# Altium PCB Tigershark 3D R1.7.PcbDoc (part 3 of 4)
Units mil, origin at the board's own origin, x right, y up, seen from the top; angles counter-clockwise.
Board outline 5500 x 4600 mil, 4 copper layers (Top Layer, Groun Plane, Power Plane, Bottom Layer); 305 components, 242 nets, 1015 pads, 866 vias.
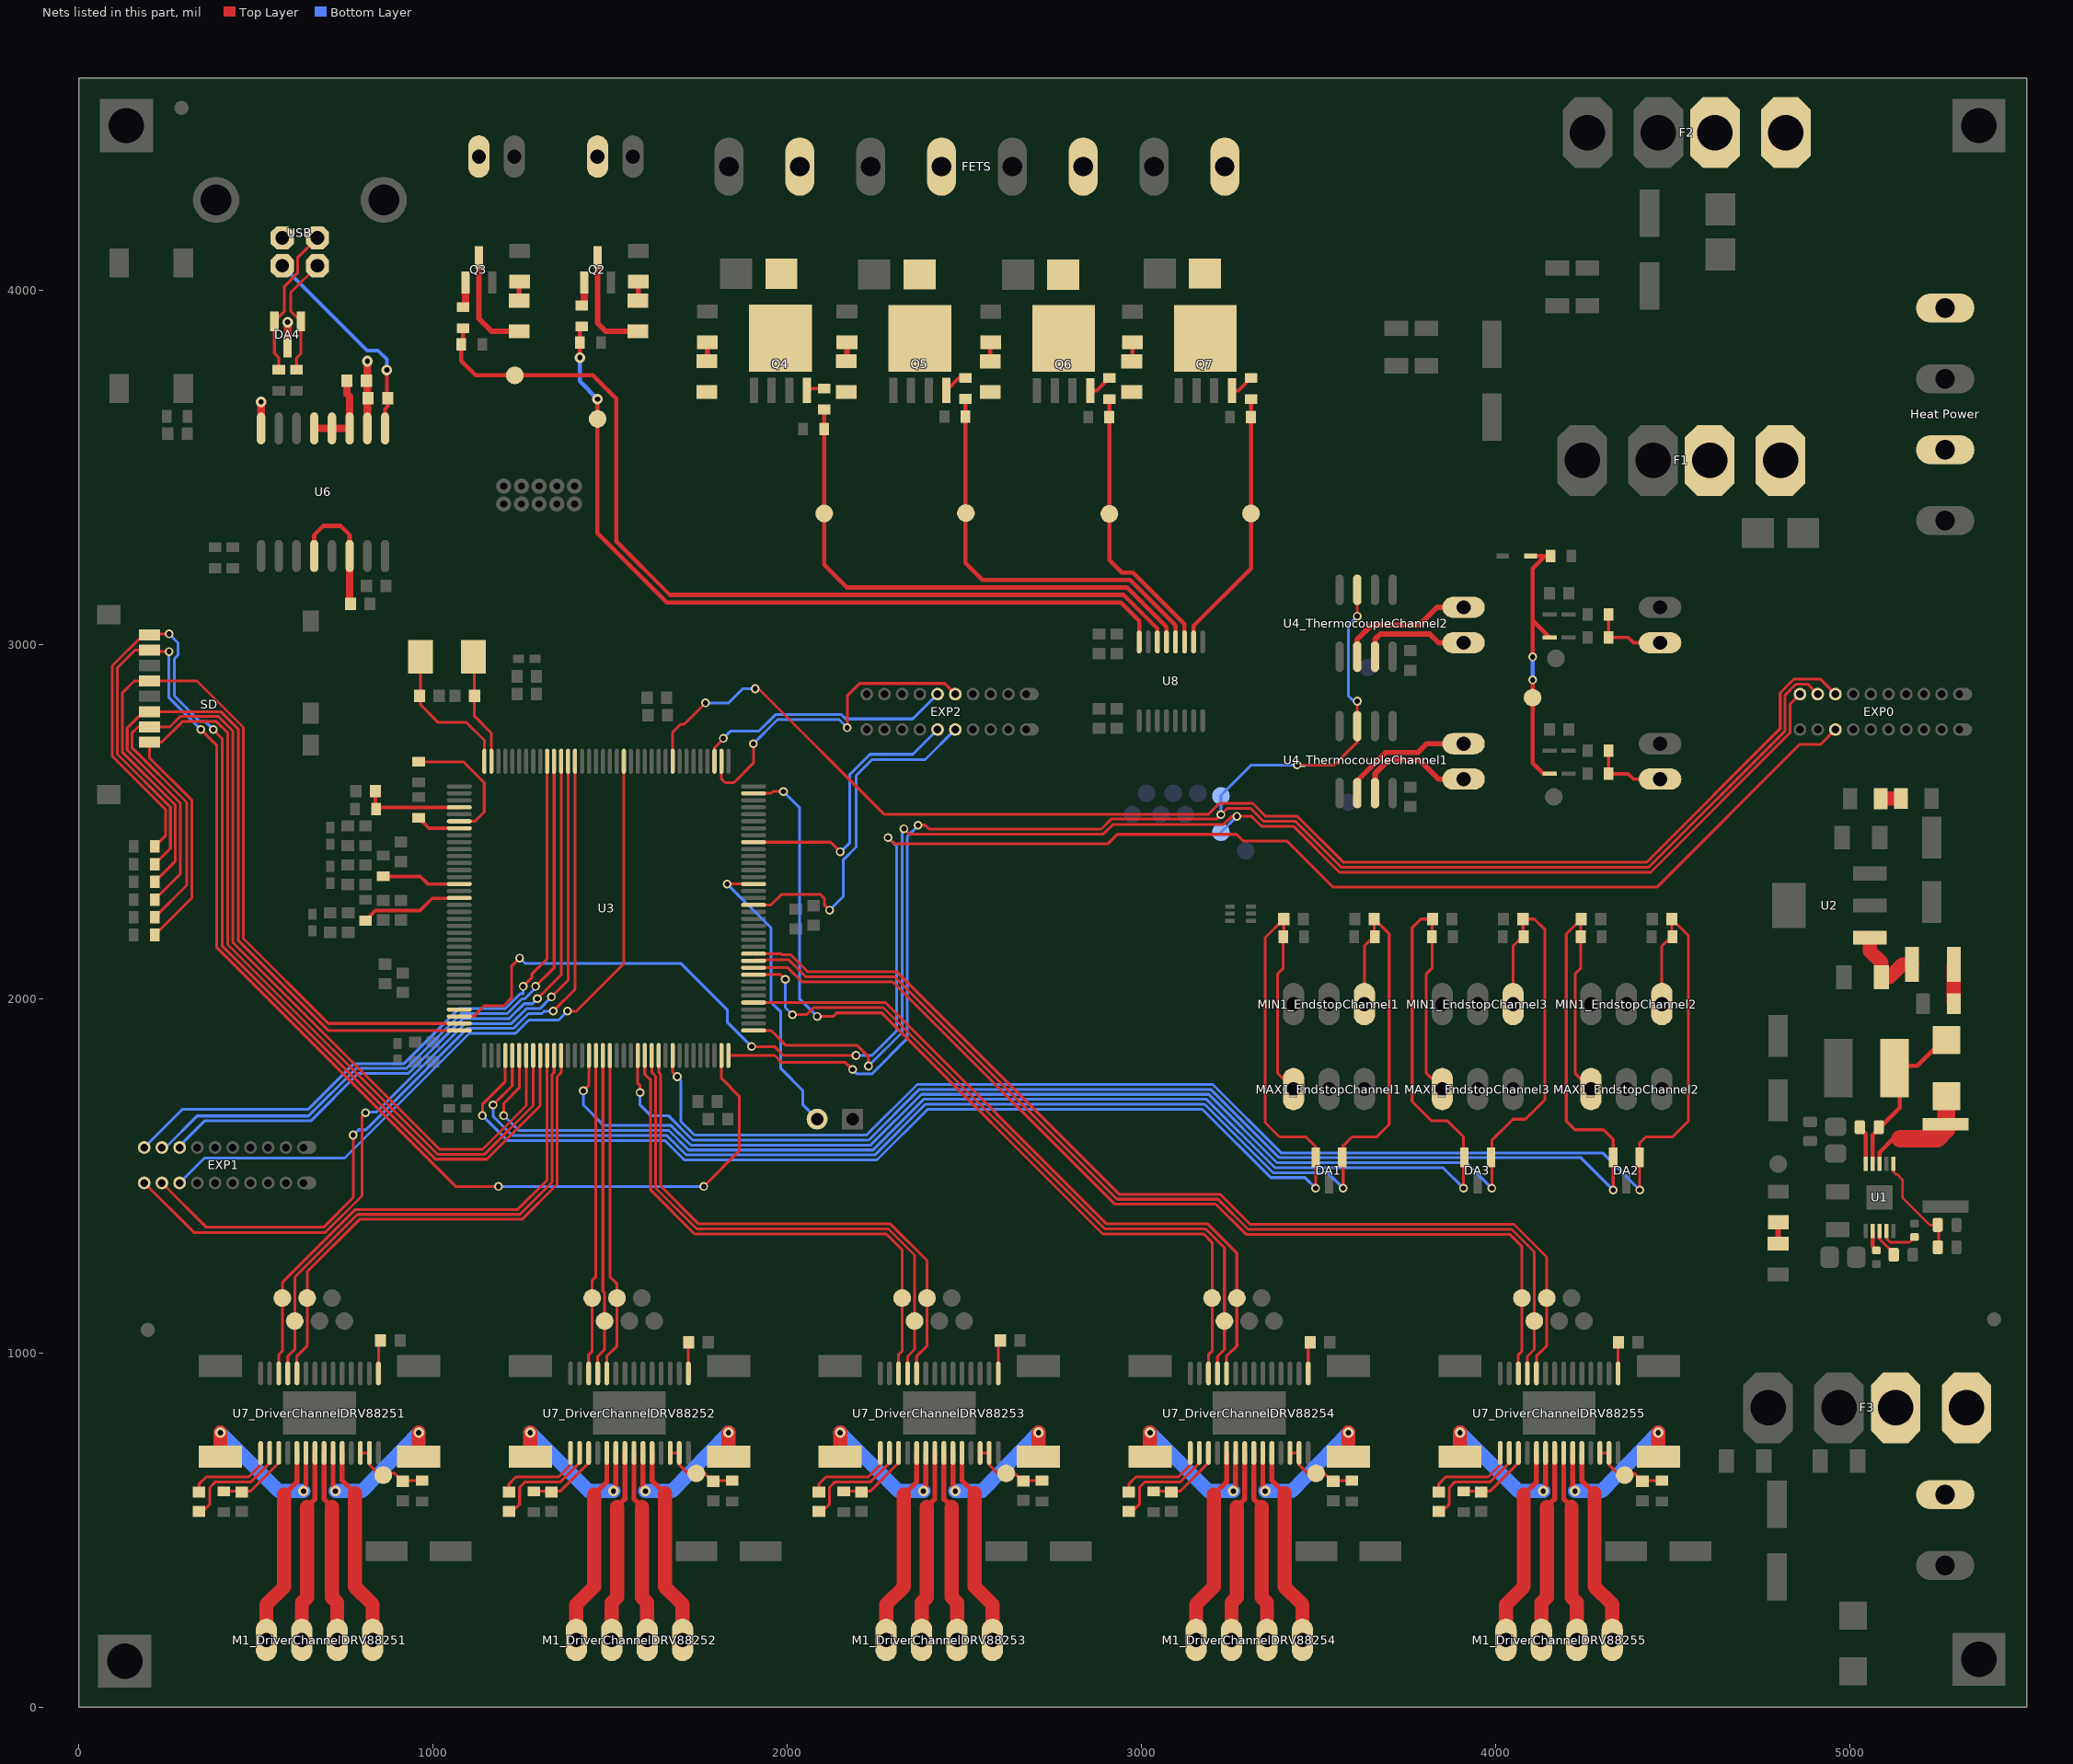
[diagram p5: the nets of this part, all layers, seen from the top]

## Via types
v1: diameter 25, hole 15, Top Layer to Bottom Layer, tented both sides, 382 vias
v2: diameter 30, hole 15, Top Layer to Bottom Layer, tented both sides, 378 vias
v3: diameter 19.68, hole 7.87, Top Layer to Bottom Layer, tented both sides, 75 vias
v4: diameter 50, hole 28, Top Layer to Bottom Layer, tented both sides, 13 vias
v5: diameter 45, hole 20, Top Layer to Bottom Layer, tented both sides, 9 vias
v6: diameter 30, hole 15, Top Layer to Bottom Layer, 9 vias

## Nets (pads, with @x,y where several pads share a name; then routed paths per layer and width w, separated by ;. In a path a pad name is that pad's centre, name@x,y a point inside that pad or via, vN(x,y) a via of type N, cw(c..) or ccw(c..) an arc to the next point about the centre after c; other vN are vias at no path point) (continued)
GPIO12_EXP: EXP2.5 U3.136 | length 786.6
  Top Layer w8: U3.136@1905.35,2442.01 2122.99,2442.01 v1(2150,2415)
  Bottom Layer w8: v1(2150,2415) 2151.82,2415 2177.5,2440.68 2177.5,2633.3 2234.2,2690 2355,2690 EXP2.5@2425,2760
GPIO13_EXP: EXP2.16 U3.3 | length 741.7
  Top Layer w8: U3.3@1795.12,2670.35 1795.12,2708.5 1820,2733.38 v1(1820,2735)
  Bottom Layer w8: v1(1820,2735) 1841,2756 1921.2,2756 1967.2,2802 2153.6,2802 2165.6,2790 2355,2790 EXP2.16@2425,2860
GPIO14_EXP: EXP2.6 U3.127 | length 1001.7
  Top Layer w8: U3.127@1905.35,2264.84 1954.84,2264.84 1985,2295 2093.79,2295 2105,2283.79 2105,2265 v1(2120,2250)
  Bottom Layer w8: v1(2120,2250) 2159.32,2289.32 2159.32,2392.5 2195,2428.18 2195,2630 2240,2675 2390,2675 EXP2.6@2475,2760
GPIO15_EXP: EXP2.15 U3.2 | length 947
  Top Layer w8: U3.2@1814.8,2670.35 1814.8,2620.2 1825,2610 1850,2610 1905,2665 v1(1905,2720) ; v1(2170,2765) 2170,2855 2205,2890 2445,2890 EXP2.15@2475,2860
  Bottom Layer w8: v1(1905,2720) 1973,2788 2147,2788 v1(2170,2765)
I2C_SCL: EXP0.3 U3.70 | length 5014.8
  Top Layer w8: U3.70@1074.65,1949.88 1114.88,1949.88 1145,1980 1200,1980 1222.5,2002.5 1222.5,2092.5 v1(1245,2115) ; v1(1900,1865) 1965,1865 1990,1840 v1(2195,1840) ; v1(2285,2455) 2303,2437 2904.99,2437 2931.92,2463.93 3269.25,2463.93 3288.18,2445 3412.01,2445 3542.01,2315 4455.6,2315 4858.6,2718 4918,2718 EXP0.3@4960,2760
  Bottom Layer w8: v1(1245,2115) 1260,2100 1699.71,2100 1831.96,1967.75 1831.96,1933.04 v1(1900,1865) ; v1(2195,1840) 2240.2,1840 2310,1909.8 2310,2430 v1(2285,2455)
I2C_SDA: EXP0.18 U3.9 | length 3934.7
  Top Layer w8: U3.9@1677.01,2670.35 1677.01,2752.01 1700,2775 1710.36,2775 1725,2789.64 1725,2790 v1(1770,2835) ; v1(1910,2875) 1920,2875 2274,2521 3189.99,2521 3220.49,2551.5 3314.72,2551.5 3351.22,2515 3441.01,2515 3571.01,2385 4426.61,2385 4804,2762.39 4804,2863.4 4842.6,2902 4918,2902 EXP0.18@4960,2860
  Bottom Layer w8: v1(1770,2835) 1835,2835 1875,2875 v1(1910,2875)
INPUT_GND: C58.1 C59.1 DA4.3 U6.2 U6.8 USB.4 | length 337.2
  Top Layer w22: U6.8@515,3610.12 v2(515,3685) ; DA4.3@590,3837.6 v2(590,3910) ; U6.2@815,3610.12 v2(815,3800)
MAX_ES1: C2_EndstopChannel1.1 DA1.2 MAX1_EndstopChannel1.1 R3_EndstopChannel1.2 U3.76 | length 4143
  Top Layer w8: v1(1140,1670) 1140,1701.82 1204.57,1766.39 U3.76@1204.57,1839.65 ; MAX1_EndstopChannel1.1@3430,1745 3385,1790 3385,2070 3400.94,2085.95 R3_EndstopChannel1.2@3400.94,2175 3402.44,2176.5 C2_EndstopChannel1.1@3402.44,2225 3350,2172.56 3350,1650 3390,1610 3465,1610 3492.6,1582.4 DA1.2@3492.6,1552.4 v1(3492.6,1465)
  Bottom Layer w8: v1(1140,1670) 1210,1600 1655,1600 1710,1545 2253.79,1545 2396.79,1688 3173.01,1688 3366.01,1495 3462.6,1495 v1(3492.6,1465)
MAX_ES2: C2_EndstopChannel2.1 DA2.2 MAX1_EndstopChannel2.1 R3_EndstopChannel2.2 U3.95 | length 4495.9
  Top Layer w8: U3.95@1578.58,1839.65 1578.58,1761.42 1585,1755 v1(1585,1735) ; C2_EndstopChannel2.1@4242.44,2225 C2_EndstopChannel2.1@4240.94,2223.5 ; MAX1_EndstopChannel2.1@4270,1745 4225,1790 4225,2070 4240.94,2085.95 R3_EndstopChannel2.2@4240.94,2175 C2_EndstopChannel2.1@4240.94,2223.5 ; v1(4332.6,1460) DA2.2@4332.6,1552.4 4332.6,1602.4 4305,1630 4225,1630 4200,1655 4200,2182.56 C2_EndstopChannel2.1@4240.94,2223.5
  Bottom Layer w8: v1(1585,1735) 1585,1700 1615,1670 1664.2,1670 1733.2,1601 2230.6,1601 2373.6,1744 3196.2,1744 3389.2,1551 4241.6,1551 v1(4332.6,1460)
MAX_ES3: C2_EndstopChannel3.1 DA3.2 MAX1_EndstopChannel3.1 R3_EndstopChannel3.2 U3.78 | length 4497.4
  Top Layer w8: v1(1200,1670) 1200,1704 1243.94,1747.94 U3.78@1243.94,1839.65 ; MAX1_EndstopChannel3.1@3850,1745 3805,1790 3805,2070 3820.94,2085.95 R3_EndstopChannel3.2@3820.94,2175 3820.94,2223.5 C2_EndstopChannel3.1@3822.44,2225 3790,2225 3765,2200 3765,1710 3820,1655 3865,1655 3910,1610 DA3.2@3910,1552.4 ; v1(3910,1465) 3910,1549.8 DA3.2@3912.6,1552.4
  Bottom Layer w8: v1(1200,1670) 1242,1628 1666.6,1628 1721.6,1573 2242.2,1573 2385.2,1716 3184.6,1716 3377.6,1523 3852,1523 v1(3910,1465)
MCCDZ: R28.1 SD.3 U3.72 | length 2255
  Top Layer w8: R28.1@214.53,2280 287,2352.47 287,2552.4 137,2702.4 137,2763.72 183.9,2810.63 SD.3@200,2810.63 400.79,2810.63 450.32,2761.1 450.32,2164.89 704.69,1910.51 U3.72@1074.65,1910.51
MCCK: R27.1 SD.5 U3.71 | length 2335
  Top Layer w8: R27.1@214.53,2330 273,2388.47 273,2546.6 123,2696.6 123,2863 157.24,2897.24 SD.5@200,2897.24 333.97,2897.24 465,2766.22 465,2170 704.8,1930.2 U3.71@1074.65,1930.2
MCDZ0: R26.1 SD.7 U3.107 | length 3780.6
  Top Layer w8: R26.1@214.53,2380 259,2424.47 259,2540.8 109,2690.8 109,2934.2 158.66,2983.86 SD.7@200,2983.86 203.86,2980 v1(255,2980) ; v1(345,2760) 390,2715 390,2144.52 1064.52,1470 v1(1185,1470) ; v1(1765,1470) 1865,1570 1865,1725 1814.8,1775.2 U3.107@1814.8,1839.65
  Bottom Layer w8: v1(255,2980) 255,2850 v1(345,2760) ; v1(1185,1470) v1(1765,1470)
MCDZ1: R24.1 SD.8 U3.81 | length 3093.6
  Top Layer w8: R24.1@214.53,2430 245,2460.47 245,2535 95,2685 95,2940 182.17,3027.17 SD.8@200,3027.17 202.83,3030 v1(255,3030) ; v1(380,2760) 405,2735 405,2149.32 1007.32,1547 1152,1547 1302.99,1697.99 U3.81@1302.99,1839.65
  Bottom Layer w8: v1(255,3030) 280,3005 280,2970 270,2960 270,2855 342.5,2782.5 357.5,2782.5 v1(380,2760)
MCDZ2: R34.1 SD.1 U3.80 | length 2799.5
  Top Layer w8: R34.1@214.53,2180 320,2285.47 320,2560 200,2680 SD.1@200,2724 234,2724 292.63,2782.63 389.19,2782.63 421,2750.82 421,2153.12 1013.12,1561 1146.2,1561 1283.31,1698.11 U3.80@1283.31,1839.65
MCDZ3: R29.1 SD.2 U3.79 | length 2802.4
  Top Layer w8: R29.1@214.53,2230 305,2320.47 305,2554.2 151,2708.2 151,2751 167.31,2767.31 SD.2@200,2767.31 257.31,2767.31 286.63,2796.63 394.99,2796.63 435,2756.62 435,2158.92 1018.92,1575 1140.4,1575 1263.62,1698.22 U3.79@1263.62,1839.65
MIN_ES1: C1_EndstopChannel1.1 DA1.1 MIN1_EndstopChannel1.1 R2_EndstopChannel1.2 U3.77 | length 3917.8
  Top Layer w8: v1(1170,1700) 1224.25,1754.25 U3.77@1224.25,1839.65 ; v1(3570,1465) DA1.1@3570,1549.8 ; DA1.1@3570,1552.4 3570,1585 3595,1610 3665,1610 3700,1645 3700,2183.03 C1_EndstopChannel1.1@3658.03,2225 3658.03,2176.97 3630,2148.94 MIN1_EndstopChannel1.1@3630,1985
  Bottom Layer w8: v1(1170,1700) 1170,1668.18 1224.18,1614 1660.8,1614 1715.8,1559 2247.99,1559 2390.99,1702 3178.8,1702 3371.8,1509 3526,1509 v1(3570,1465)
MIN_ES2: C1_EndstopChannel2.1 DA2.1 MIN1_EndstopChannel2.1 R2_EndstopChannel2.2 U3.100 | length 4224.2
  Top Layer w8: U3.100@1677.01,1839.65 1677.01,1792.99 v1(1690,1780) ; v1(4407.4,1460) DA2.1@4407.4,1552.4 4407.4,1592.4 4425,1610 4500,1610 4545,1655 4545,2178.03 C1_EndstopChannel2.1@4498.03,2225 4498.03,2176.97 4470,2148.94 MIN1_EndstopChannel2.1@4470,1985
  Bottom Layer w8: 1700,1770 1700,1653.99 1738.99,1615 2224.8,1615 2367.8,1758 3202,1758 3395,1565 4302.4,1565 v1(4407.4,1460)
MIN_ES3: C1_EndstopChannel3.1 DA3.1 MIN1_EndstopChannel3.1 R2_EndstopChannel3.2 U3.88 | length 4065.6
  Top Layer w8: v1(1425,1740) 1440.79,1755.79 U3.88@1440.79,1839.65 ; v1(3990,1465) 3990,1600 4050,1660 4085,1660 4140,1715 4140,2195 4110,2225 C1_EndstopChannel3.1@4078.03,2225 4078.03,2176.97 4050,2148.94 MIN1_EndstopChannel3.1@4050,1985
  Bottom Layer w8: v1(1425,1740) 1425,1700 1483,1642 1672.4,1642 1727.4,1587 2236.4,1587 2379.4,1730 3190.4,1730 3383.4,1537 3918,1537 v1(3990,1465)
MISO: EXP0.19 TP7.1 U3.108 U4_ThermocoupleChannel1.7 U4_ThermocoupleChannel2.7 | length 5063.5
  Top Layer w8: U3.108@1834.49,1839.65 1965.35,1839.65 1985,1820 2165,1820 v1(2185,1800) ; v1(2370,2490) 2390.2,2490 2401.2,2479 2887.59,2479 2915.59,2507 3212,2507 3242.5,2537.5 3308.92,2537.5 3335.5,2510.92 3335.5,2510.71 3345.21,2501 3435.21,2501 3565.21,2371 4432.41,2371 4818,2756.59 4818,2857.6 4848.4,2888 4882,2888 EXP0.19@4910,2860 ; v1(3440,2660) 3545,2660 3610,2725 U4_ThermocoupleChannel1.7@3610,2769.49 v1(3610,2840) ; v1(3610,3080) U4_ThermocoupleChannel2.7@3610,3154.49
  Bottom Layer w8: v1(2185,1800) 2197.5,1787.5 2239.32,1787.5 2339,1887.18 2339,2457.18 2370,2488.18 v1(2370,2490) ; v1(3225,2520) 3225,2574 3311,2660 v1(3440,2660) ; v1(3610,2840) 3600,2840 3585,2855 3585,3055 v1(3610,3080)
MOD0E1: TP37_DriverChannelDRV88251.1 U3.84 U7_DriverChannelDRV88251.24 | length 1475.2
  Top Layer w8: U7_DriverChannelDRV88251.24@616.02,942.2 616.02,991.02 645,1020 TP37_DriverChannelDRV88251.1@645,1155 645,1229.2 792.8,1377 1251.6,1377 1350.68,1476.08 1350.68,1780.07 1362.05,1791.44 U3.84@1362.05,1839.65
MOD0E2: TP37_DriverChannelDRV88252.1 U3.91 U7_DriverChannelDRV88252.24 | length 917.8
  Top Layer w8: U7_DriverChannelDRV88252.24@1491.02,942.2 1491.02,991.02 1520,1020 TP37_DriverChannelDRV88252.1@1520,1155 1520,1195 1499.84,1215.16 U3.91@1499.84,1839.65
MOD0E3: TP37_DriverChannelDRV88253.1 U3.98 U7_DriverChannelDRV88253.24 | length 1540.2
  Top Layer w8: U3.98@1637.64,1839.65 1637.64,1792.36 1643,1787 1643,1471.6 1750.6,1364 2291.8,1364 2395,1260.8 TP37_DriverChannelDRV88253.1@2395,1155 2395,1020 2366.02,991.02 U7_DriverChannelDRV88253.24@2366.02,942.2
MOD0E4: TP37_DriverChannelDRV88254.1 U3.113 U7_DriverChannelDRV88254.24 | length 2009.3
  Top Layer w8: U3.113@1905.35,1989.25 2277.56,1989.25 2902.81,1364 3187.81,1364 3270,1281.81 TP37_DriverChannelDRV88254.1@3270,1155 3270,1020 3241.02,991.02 U7_DriverChannelDRV88254.24@3241.02,942.2
MOD0E5: TP37_DriverChannelDRV88255.1 U3.120 U7_DriverChannelDRV88255.24 | length 2934.9
  Top Layer w8: U3.120@1905.35,2127.05 1982.95,2127.05 1986,2124 2010.8,2124 2058.92,2075.88 2309.72,2075.88 2937.6,1448 3222.6,1448 3307.6,1363 4052.8,1363 4145,1270.8 TP37_DriverChannelDRV88255.1@4145,1155 4145,1020 4116.02,991.02 U7_DriverChannelDRV88255.24@4116.02,942.2
MOD1E1: TP36_DriverChannelDRV88251.1 U3.83 U7_DriverChannelDRV88251.25 | length 1477.7
  Top Layer w8: U7_DriverChannelDRV88251.25@590.43,942.2 590.43,990.43 610,1010 TP36_DriverChannelDRV88251.1@610,1090 610,1213.99 787.01,1391 1245.8,1391 1336.68,1481.88 1336.68,1785.87 1342.36,1791.56 U3.83@1342.36,1839.65
MOD1E2: TP36_DriverChannelDRV88252.1 U3.90 U7_DriverChannelDRV88252.25 | length 907.7
  Top Layer w8: U7_DriverChannelDRV88252.25@1465.43,942.2 1465.43,990.43 1485,1010 TP36_DriverChannelDRV88252.1@1485,1090 1485,1169.5 1480,1174.5 1480,1839.49 U3.90@1480.16,1839.65
MOD1E3: TP36_DriverChannelDRV88253.1 U3.97 U7_DriverChannelDRV88253.25 | length 1529.9
  Top Layer w8: U3.97@1617.95,1839.65 1617.95,1792.25 1629,1781.2 1629,1465.8 1744.8,1350 2286.01,1350 2360,1276.01 TP36_DriverChannelDRV88253.1@2360,1090 2360,1010 2340.43,990.43 U7_DriverChannelDRV88253.25@2340.43,942.2
MOD1E4: TP36_DriverChannelDRV88254.1 U3.117 U7_DriverChannelDRV88254.25 | length 2075.3
  Top Layer w8: U3.117@1905.35,2067.99 1982.01,2067.99 v1(1995,2055) ; v1(2015,1955) 2055,1955 2075,1975 2272.01,1975 2897.01,1350 3182.01,1350 3235,1297.01 TP36_DriverChannelDRV88254.1@3235,1090 3235,1010 3215.43,990.43 U7_DriverChannelDRV88254.25@3215.43,942.2
  Bottom Layer w8: v1(1995,2055) 1995,1975 v1(2015,1955)
MOD1E5: TP36_DriverChannelDRV88255.1 U3.119 U7_DriverChannelDRV88255.25 | length 2898.4
  Top Layer w8: U3.119@1905.35,2107.36 1907.99,2110 2005,2110 2053.12,2061.88 2303.92,2061.88 2931.8,1434 3216.8,1434 3301.8,1349 4046,1349 4110,1285 TP36_DriverChannelDRV88255.1@4110,1090 4110,1010 4090.43,990.43 U7_DriverChannelDRV88255.25@4090.43,942.2
MOD2E1: TP35_DriverChannelDRV88251.1 U3.82 U7_DriverChannelDRV88251.26 | length 1480.1
  Top Layer w8: U7_DriverChannelDRV88251.26@564.84,942.2 564.84,994.84 575,1005 TP35_DriverChannelDRV88251.1@575,1155 575,1198.79 781.21,1405 1240,1405 1322.68,1487.68 U3.82@1322.68,1839.65
MOD2E2: TP35_DriverChannelDRV88252.1 U3.89 U7_DriverChannelDRV88252.26 | length 906
  Top Layer w8: U7_DriverChannelDRV88252.26@1439.84,942.2 1439.84,994.84 1450,1005 TP35_DriverChannelDRV88252.1@1450,1155 1450,1205 1460.47,1215.47 U3.89@1460.47,1839.65
MOD2E3: TP35_DriverChannelDRV88253.1 U3.96 U7_DriverChannelDRV88253.26 | length 1519.7
  Top Layer w8: U3.96@1598.27,1839.65 1598.27,1786.73 1615,1770 1615,1460 1739,1336 2280.21,1336 2325,1291.21 TP35_DriverChannelDRV88253.1@2325,1155 2325,1005 2314.84,994.84 U7_DriverChannelDRV88253.26@2314.84,942.2
MOD2E4: TP35_DriverChannelDRV88254.1 U3.143 U7_DriverChannelDRV88254.26 | length 2522.8
  Top Layer w8: U3.143@1905.35,2579.8 1954.8,2579.8 1960,2585 v1(1990,2585) ; v1(2085,1950) 2130,1950 2140,1960 2267.21,1960 2891.21,1336 3176.21,1336 3200,1312.21 TP35_DriverChannelDRV88254.1@3200,1155 3200,1005 3189.84,994.84 U7_DriverChannelDRV88254.26@3189.84,942.2
  Bottom Layer w8: v1(1990,2585) 2035,2540 2035,2000 v1(2085,1950)
MOD2E5: TP35_DriverChannelDRV88255.1 U3.118 U7_DriverChannelDRV88255.26 | length 2858
  Top Layer w8: U3.118@1905.35,2087.68 2002.32,2087.68 2042.12,2047.88 2298.12,2047.88 2926.01,1420 3211.01,1420 3296.01,1335 4040.2,1335 4075,1300.2 TP35_DriverChannelDRV88255.1@4075,1155 4075,1005 4064.84,994.84 U7_DriverChannelDRV88255.26@4064.84,942.2
MODE0_EXP1: EXP1.1 U3.24 | length 2298.8
  Top Layer w8: EXP1.1@185,1480 325,1340 696.41,1340 800,1443.59 800,1668 v1(810,1678) ; v1(1335,2005) 1381.73,2051.73 U3.24@1381.73,2670.35
  Bottom Layer w8: v1@810,1680 841.21,1680 1091.21,1930 1221.61,1930 1263.61,1972 1302,1972 v1(1335,2005)
MODE0_EXP2: EXP1.20 U3.27 | length 1933.6
  Top Layer w8: v1(1255,2035) 1280,2060 1280,2070 1322.68,2112.68 U3.27@1322.68,2670.35
  Bottom Layer w8: EXP1.20@185,1580 292.44,1687.44 647.84,1687.44 777.4,1817 918.81,1817 1073.81,1972 1204.21,1972 1246.21,2014 1254,2014 1255,2015 v1(1255,2035)
MODE1_EXP1: EXP1.2 U3.23 | length 2243.7
  Top Layer w8: EXP1.2@235,1480 360,1355 691.61,1355 775,1438.39 v1(775,1615) ; v1(1340,1965) 1401.42,2026.42 U3.23@1401.42,2670.35
  Bottom Layer w8: v1(775,1615) 790,1630 811.01,1630 1097.01,1916 1227.41,1916 1269.41,1958 1308,1958 1315,1965 v1(1340,1965)
MODE1_EXP2: EXP1.19 U3.26 | length 1903.4
  Top Layer w8: v1(1290,2035) 1342.36,2087.36 U3.26@1342.36,2670.35
  Bottom Layer w8: EXP1.19@235,1580 245.4,1580 334.4,1669 649.2,1669 783.2,1803 924.61,1803 1079.61,1958 1210.01,1958 1252.01,2000 1260,2000 1290,2030 v1(1290,2035)
MODE2_EXP1: EXP1.3 U3.16 | length 2082
  Top Layer w8: v1(1380,1965) 1405.2,1965 1539.21,2099.01 U3.16@1539.21,2670.35
  Bottom Layer w8: EXP1.3@285,1480 355,1550 750.8,1550 1102.8,1902 1233.21,1902 1271.21,1940 1355,1940 v1(1380,1965)
MODE2_EXP2: EXP1.18 U3.25 | length 1885
  Top Layer w8: v1(1295,2000) 1362.05,2067.05 U3.25@1362.05,2670.35
  Bottom Layer w8: EXP1.18@285,1580 285,1585 355,1655 655,1655 789,1789 930.41,1789 1085.41,1944 1215.81,1944 1257.81,1986 1281,1986 v1(1295,2000)
MOSI: EXP0.20 TP8.1 U3.109 | length 4047
  Top Layer w8: U3.109@1905.35,1910.51 1954.69,1910.51 1997.2,1868 2198.82,1868 2230,1836.82 v1(2230,1810) ; v1(2330,2480) 2345,2465 2893.39,2465 2920.32,2491.93 3232.34,2491.93 3255.41,2515 v1(3270,2515) 3311.62,2515 3321.5,2505.12 3321.5,2504.91 3339.41,2487 3429.41,2487 3559.41,2357 4438.21,2357 4832,2750.79 4832,2832 EXP0.20@4860,2860 EXP0.20@4860,2857
  Bottom Layer w8: v1(2230,1810) 2325,1905 2325,2480 v1(2330,2480) ; TP8.1@3225,2470 v1(3270,2515) v1@3266,2519
NetC4_2: C4.2 F4.1 U2.1 | length 225.8
  Top Layer w40: U2.1@5057.17,2172.45 5057.17,2134.83 5090.15,2101.85 C4.2@5090.15,2061 5113,2061 5149,2097 F4.1@5175.94,2097
NetC22_1: C22.1 U1.4 | length 112
  Top Layer w8: U1.4@5104.26,1344.83 5104.26,1322.97 5114.71,1312.52 5169.22,1312.52 C22.1@5184,1327.3
NetC40_1: C40.1 U1.10 | length 93.4
  Top Layer w12: C40.1@5039.23,1624.77 5045.2,1618.8 U1.10@5045.2,1533.8
NetC40_2: C40.2 D2.C L1.1 U1.9 | length 475.6
  Top Layer w12: U1.9@5064.89,1533.8 5064.89,1615.12 5092.77,1643 5141.74,1691.97 5141.74,1811 5191.26,1811 D2.C@5274,1893.74
NetC43_2: C43.2 U3.36 X2.1 | length 416.3
  Top Layer w8: X2.1@965,2965 965,2830 1015,2780 1095,2780 1145.51,2729.49 U3.36@1145.51,2670.35
NetC44_2: C44.2 U3.35 X2.2 | length 315.6
  Top Layer w8: X2.2@1114.61,2965 1117.56,2962.05 C44.2@1117.56,2855 1117.56,2797.44 1165.2,2749.8 U3.35@1165.2,2670.35
NetC56_2: C56.2 U6.12 U6.14 | length 373.4
  Top Layer w12: U6.12@665,3249.88 665,3310 690,3335 740,3335 765,3310 U6.14@765,3249.88
  Top Layer w22: C56.2@765,3117.44 U6.14@765,3249.88
NetC58_2: C58.2 U6.1 USB.1 | length 599.8
  Top Layer w10: U6.1@865,3610.12 865,3665 872.56,3672.56 C58.2@872.56,3695 ; C58.2@870,3697.56 v2(870,3775)
  Bottom Layer w10: USB.1@575,4069 814,3830 845,3830 870,3805 v2(870,3775)
NetC59_2: C59.2 U6.3 U6.4 U6.5 | length 238
  Top Layer w20: U6.5@665,3610.12 U6.4@715,3610.12 U6.3@765,3610.12 765,3700 757.44,3707.56 C59.2@757.44,3745
NetC66_DriverChannelDRV88251_2: C66_DriverChannelDRV88251.2 R30_DriverChannelDRV88251.2 U7_DriverChannelDRV88251.3 | length 216.1
  Top Layer w8: R30_DriverChannelDRV88251.2@410,609.53 484.53,609.53 564.84,689.84 U7_DriverChannelDRV88251.3@564.84,717.8
NetC66_DriverChannelDRV88252_2: C66_DriverChannelDRV88252.2 R30_DriverChannelDRV88252.2 U7_DriverChannelDRV88252.3 | length 216.1
  Top Layer w8: R30_DriverChannelDRV88252.2@1285,609.53 1359.53,609.53 1439.84,689.84 U7_DriverChannelDRV88252.3@1439.84,717.8
NetC66_DriverChannelDRV88253_2: C66_DriverChannelDRV88253.2 R30_DriverChannelDRV88253.2 U7_DriverChannelDRV88253.3 | length 216.1
  Top Layer w8: R30_DriverChannelDRV88253.2@2160,609.53 2234.53,609.53 2314.84,689.84 U7_DriverChannelDRV88253.3@2314.84,717.8
NetC66_DriverChannelDRV88254_2: C66_DriverChannelDRV88254.2 R30_DriverChannelDRV88254.2 U7_DriverChannelDRV88254.3 | length 216.1
  Top Layer w8: R30_DriverChannelDRV88254.2@3035,609.53 3109.53,609.53 3189.84,689.84 U7_DriverChannelDRV88254.3@3189.84,717.8
NetC66_DriverChannelDRV88255_2: C66_DriverChannelDRV88255.2 R30_DriverChannelDRV88255.2 U7_DriverChannelDRV88255.3 | length 216.1
  Top Layer w8: R30_DriverChannelDRV88255.2@3910,609.53 3984.53,609.53 4064.84,689.84 U7_DriverChannelDRV88255.3@4064.84,717.8
NetC68_DriverChannelDRV88251_1: C68_DriverChannelDRV88251.1 U7_DriverChannelDRV88251.1 | length 256.6
  Top Layer w8: C68_DriverChannelDRV88251.1@350,607.56 340,617.56 340,630 360,650 480,650 513.66,683.66 U7_DriverChannelDRV88251.1@513.66,717.8
NetC68_DriverChannelDRV88251_2: C68_DriverChannelDRV88251.2 U7_DriverChannelDRV88251.2 | length 302.3
  Top Layer w8: C68_DriverChannelDRV88251.2@350,552.44 370,572.44 370,620 386,636 486,636 539.25,689.25 U7_DriverChannelDRV88251.2@539.25,717.8
NetC68_DriverChannelDRV88252_1: C68_DriverChannelDRV88252.1 U7_DriverChannelDRV88252.1 | length 256.6
  Top Layer w8: C68_DriverChannelDRV88252.1@1225,607.56 1215,617.56 1215,630 1235,650 1355,650 1388.66,683.66 U7_DriverChannelDRV88252.1@1388.66,717.8
NetC68_DriverChannelDRV88252_2: C68_DriverChannelDRV88252.2 U7_DriverChannelDRV88252.2 | length 302.3
  Top Layer w8: C68_DriverChannelDRV88252.2@1225,552.44 1245,572.44 1245,620 1261,636 1361,636 1414.25,689.25 U7_DriverChannelDRV88252.2@1414.25,717.8
NetC68_DriverChannelDRV88253_1: C68_DriverChannelDRV88253.1 U7_DriverChannelDRV88253.1 | length 256.6
  Top Layer w8: C68_DriverChannelDRV88253.1@2100,607.56 2090,617.56 2090,630 2110,650 2230,650 2263.66,683.66 U7_DriverChannelDRV88253.1@2263.66,717.8
NetC68_DriverChannelDRV88253_2: C68_DriverChannelDRV88253.2 U7_DriverChannelDRV88253.2 | length 302.3
  Top Layer w8: C68_DriverChannelDRV88253.2@2100,552.44 2120,572.44 2120,620 2136,636 2236,636 2289.25,689.25 U7_DriverChannelDRV88253.2@2289.25,717.8
NetC68_DriverChannelDRV88254_1: C68_DriverChannelDRV88254.1 U7_DriverChannelDRV88254.1 | length 256.6
  Top Layer w8: C68_DriverChannelDRV88254.1@2975,607.56 2965,617.56 2965,630 2985,650 3105,650 3138.66,683.66 U7_DriverChannelDRV88254.1@3138.66,717.8
NetC68_DriverChannelDRV88254_2: C68_DriverChannelDRV88254.2 U7_DriverChannelDRV88254.2 | length 302.3
  Top Layer w8: C68_DriverChannelDRV88254.2@2975,552.44 2995,572.44 2995,620 3011,636 3111,636 3164.25,689.25 U7_DriverChannelDRV88254.2@3164.25,717.8
NetC68_DriverChannelDRV88255_1: C68_DriverChannelDRV88255.1 U7_DriverChannelDRV88255.1 | length 256.6
  Top Layer w8: C68_DriverChannelDRV88255.1@3850,607.56 3840,617.56 3840,630 3860,650 3980,650 4013.66,683.66 U7_DriverChannelDRV88255.1@4013.66,717.8
NetC68_DriverChannelDRV88255_2: C68_DriverChannelDRV88255.2 U7_DriverChannelDRV88255.2 | length 302.3
  Top Layer w8: C68_DriverChannelDRV88255.2@3850,552.44 3870,572.44 3870,620 3886,636 3986,636 4039.25,689.25 U7_DriverChannelDRV88255.2@4039.25,717.8
NetC71_DriverChannelDRV88251_2: C71_DriverChannelDRV88251.2 U7_DriverChannelDRV88251.15 | length 94.4
  Top Layer w8: C71_DriverChannelDRV88251.2@842.44,1035 846.34,1031.1 U7_DriverChannelDRV88251.15@846.34,942.2
NetC71_DriverChannelDRV88252_2: C71_DriverChannelDRV88252.2 U7_DriverChannelDRV88252.15 | length 94.4
  Top Layer w8: C71_DriverChannelDRV88252.2@1717.44,1035 1721.34,1031.1 U7_DriverChannelDRV88252.15@1721.34,942.2
NetC71_DriverChannelDRV88253_2: C71_DriverChannelDRV88253.2 U7_DriverChannelDRV88253.15 | length 94.4
  Top Layer w8: C71_DriverChannelDRV88253.2@2592.44,1035 2596.34,1031.1 U7_DriverChannelDRV88253.15@2596.34,942.2
NetC71_DriverChannelDRV88254_2: C71_DriverChannelDRV88254.2 U7_DriverChannelDRV88254.15 | length 94.4
  Top Layer w8: C71_DriverChannelDRV88254.2@3467.44,1035 3471.34,1031.1 U7_DriverChannelDRV88254.15@3471.34,942.2
NetC71_DriverChannelDRV88255_2: C71_DriverChannelDRV88255.2 U7_DriverChannelDRV88255.15 | length 94.4
  Top Layer w8: C71_DriverChannelDRV88255.2@4342.44,1035 4346.34,1031.1 U7_DriverChannelDRV88255.15@4346.34,942.2
NetC73_2: C73.2 R23.2 U3.40 | length 282.9
  Top Layer w10: C73.2@837.56,2586.22 837.56,2540.43 U3.40@1074.65,2540.43
NetC75_DriverChannelDRV88251_2: C75_DriverChannelDRV88251.2 R31_DriverChannelDRV88251.1 TP33_DriverChannelDRV88251.1 U7_DriverChannelDRV88251.12 U7_DriverChannelDRV88251.13 | length 226.9
  Top Layer w8: U7_DriverChannelDRV88251.12@795.16,717.8 U7_DriverChannelDRV88251.13@820.75,717.8 820.75,684.25 845,660 892.56,660 913.03,639.53 R31_DriverChannelDRV88251.1@970,639.53
NetC75_DriverChannelDRV88252_2: C75_DriverChannelDRV88252.2 R31_DriverChannelDRV88252.1 TP33_DriverChannelDRV88252.1 U7_DriverChannelDRV88252.12 U7_DriverChannelDRV88252.13 | length 226.9
  Top Layer w8: U7_DriverChannelDRV88252.12@1670.16,717.8 U7_DriverChannelDRV88252.13@1695.75,717.8 1695.75,684.25 1720,660 1767.56,660 1788.03,639.53 R31_DriverChannelDRV88252.1@1845,639.53
NetC75_DriverChannelDRV88253_2: C75_DriverChannelDRV88253.2 R31_DriverChannelDRV88253.1 TP33_DriverChannelDRV88253.1 U7_DriverChannelDRV88253.12 U7_DriverChannelDRV88253.13 | length 226.9
  Top Layer w8: U7_DriverChannelDRV88253.12@2545.16,717.8 U7_DriverChannelDRV88253.13@2570.75,717.8 2570.75,684.25 2595,660 2642.56,660 2663.03,639.53 R31_DriverChannelDRV88253.1@2720,639.53
NetC75_DriverChannelDRV88254_2: C75_DriverChannelDRV88254.2 R31_DriverChannelDRV88254.1 TP33_DriverChannelDRV88254.1 U7_DriverChannelDRV88254.12 U7_DriverChannelDRV88254.13 | length 226.9
  Top Layer w8: U7_DriverChannelDRV88254.12@3420.16,717.8 U7_DriverChannelDRV88254.13@3445.75,717.8 3445.75,684.25 3470,660 3517.56,660 3538.03,639.53 R31_DriverChannelDRV88254.1@3595,639.53
NetC75_DriverChannelDRV88255_2: C75_DriverChannelDRV88255.2 R31_DriverChannelDRV88255.1 TP33_DriverChannelDRV88255.1 U7_DriverChannelDRV88255.12 U7_DriverChannelDRV88255.13 | length 226.9
  Top Layer w8: U7_DriverChannelDRV88255.12@4295.16,717.8 U7_DriverChannelDRV88255.13@4320.75,717.8 4320.75,684.25 4345,660 4392.56,660 4413.03,639.53 R31_DriverChannelDRV88255.1@4470,639.53
NetD2_A: D2.A R9.2 U1.8 | length 326.9
  Top Layer w12: U1.8@5084.57,1533.8 5084.57,1565.67 5123.78,1604.88 5143,1604.88
  Top Layer w50: 5143,1604.88 5247.74,1604.88 R9.2@5273,1630.14 ; R9.2@5273,1645.14 D2.A@5273,1725
NetD7_2: D7.2 R8.1 | length 60
  Top Layer w15: D7.2@4798.57,1309.04 R8.1@4798.57,1369.01
NetD9_2: D9.2 R11.1 | length 56
  Top Layer w40: D9.2@5088.73,2565 R11.1@5144.69,2565
NetD10_1: D10.1 FAN-1.2 Q2.3 | length 286
  Top Layer w15: Q2.3@1465,4070 1465,3907 1487.81,3884.19 D10.1@1578.5,3884.19
NetD10_2: D10.2 R13.2 | length 54.1
  Top Layer w15: D10.2@1578.5,3970.8 1580,3972.3 R13.2@1580,4024.27
NetD11_1: D11.1 FAN-2.2 Q3.3 | length 301.3
  Top Layer w15: Q3.3@1130,4093.01 1130,3920 1165.81,3884.19 D11.1@1243.5,3884.19
NetD11_2: D11.2 R47.2 | length 73.5
  Top Layer w10: D11.2@1229.8,3957.1 D11.2@1243.5,3970.8 ; R47.2@1243.5,4022.77 R47.2@1245,4024.27
  Top Layer w15: D11.2@1243.5,3970.8 R47.2@1243.5,4022.77
NetD12_1: D12.1 D13.1 FETS.2 Q4.5
NetD13_2: D13.2 R56.1 | length 54.1
  Top Layer w8: D13.2@1773.5,3799.87 D13.2@1775,3801.36
  Top Layer w15: D13.2@1775,3801.36 R56.1@1775,3853.33
NetD14_1: D14.1 D15.1 FETS.4 Q5.5
NetD14_2: D14.2 R60.1 | length 52
  Top Layer w15: D14.2@2169,3801.36 R60.1@2169,3853.33
NetD16_1: D16.1 D17.1 FETS.6 Q6.5
NetD16_2: D16.2 R64.1 | length 52
  Top Layer w12: D16.2@2573.5,3799.44 R64.1@2573.5,3851.41
NetD18_1: D18.1 D19.1 FETS.8 Q7.5
NetD18_2: D18.2 R68.1 | length 52
  Top Layer w12: D18.2@2975,3800.94 R68.1@2975,3852.91
NetF1_1: "Heat Power.3" F1.1
NetF2_1: "Heat Power.1" F2.1
NetF3_1: "Motor Power.1" F3.1
NetF4_2: F4.2 R25.2 | length 110.7
  Top Layer w40: R25.2@5294.06,1986.25 F4.2@5294.06,2097
NetM1_DriverChannelDRV88251_1: M1_DriverChannelDRV88251.1 U7_DriverChannelDRV88251.5 | length 563.4
  Top Layer w14: 580,600 616.02,636.02 U7_DriverChannelDRV88251.5@616.02,717.8
  Top Layer w40: M1_DriverChannelDRV88251.1@530,190 530,290 580,340 580,600
NetM1_DriverChannelDRV88251_2: M1_DriverChannelDRV88251.2 U7_DriverChannelDRV88251.7 | length 543.2
  Top Layer w14: 645,565 667.2,587.2 U7_DriverChannelDRV88251.7@667.2,717.8
  Top Layer w40: M1_DriverChannelDRV88251.2@630,190 630,295 645,310 645,565
NetM1_DriverChannelDRV88251_3: M1_DriverChannelDRV88251.3 U7_DriverChannelDRV88251.8 | length 543.2
  Top Layer w14: U7_DriverChannelDRV88251.8@692.8,717.8 692.8,587.2 715,565
  Top Layer w40: 715,565 715,310 730,295 M1_DriverChannelDRV88251.3@730,190
NetM1_DriverChannelDRV88251_4: M1_DriverChannelDRV88251.4 U7_DriverChannelDRV88251.10 | length 563.4
  Top Layer w14: U7_DriverChannelDRV88251.10@743.98,717.8 743.98,640 780,603.98
  Top Layer w40: 780,603.98 780,340 830,290 M1_DriverChannelDRV88251.4@830,190
NetM1_DriverChannelDRV88252_1: M1_DriverChannelDRV88252.1 U7_DriverChannelDRV88252.5 | length 563.4
  Top Layer w14: 1455,600 1491.02,636.02 U7_DriverChannelDRV88252.5@1491.02,717.8
  Top Layer w40: M1_DriverChannelDRV88252.1@1405,190 1405,290 1455,340 1455,600
NetM1_DriverChannelDRV88252_2: M1_DriverChannelDRV88252.2 U7_DriverChannelDRV88252.7 | length 543.2
  Top Layer w14: 1520,565 1542.2,587.2 U7_DriverChannelDRV88252.7@1542.2,717.8
  Top Layer w40: M1_DriverChannelDRV88252.2@1505,190 1505,295 1520,310 1520,565
NetM1_DriverChannelDRV88252_3: M1_DriverChannelDRV88252.3 U7_DriverChannelDRV88252.8 | length 543.2
  Top Layer w14: U7_DriverChannelDRV88252.8@1567.8,717.8 1567.8,587.2 1590,565
  Top Layer w40: 1590,565 1590,310 1605,295 M1_DriverChannelDRV88252.3@1605,190
NetM1_DriverChannelDRV88252_4: M1_DriverChannelDRV88252.4 U7_DriverChannelDRV88252.10 | length 563.4
  Top Layer w14: U7_DriverChannelDRV88252.10@1618.98,717.8 1618.98,640 1655,603.98
  Top Layer w40: 1655,603.98 1655,340 1705,290 M1_DriverChannelDRV88252.4@1705,190
NetM1_DriverChannelDRV88253_1: M1_DriverChannelDRV88253.1 U7_DriverChannelDRV88253.5 | length 563.4
  Top Layer w14: 2330,600 2366.02,636.02 U7_DriverChannelDRV88253.5@2366.02,717.8
  Top Layer w40: M1_DriverChannelDRV88253.1@2280,190 2280,290 2330,340 2330,600
NetM1_DriverChannelDRV88253_2: M1_DriverChannelDRV88253.2 U7_DriverChannelDRV88253.7 | length 543.2
  Top Layer w14: 2395,565 2417.2,587.2 U7_DriverChannelDRV88253.7@2417.2,717.8
  Top Layer w40: M1_DriverChannelDRV88253.2@2380,190 2380,295 2395,310 2395,565
NetM1_DriverChannelDRV88253_3: M1_DriverChannelDRV88253.3 U7_DriverChannelDRV88253.8 | length 543.2
  Top Layer w14: U7_DriverChannelDRV88253.8@2442.8,717.8 2442.8,587.2 2465,565
  Top Layer w40: 2465,565 2465,310 2480,295 M1_DriverChannelDRV88253.3@2480,190
NetM1_DriverChannelDRV88253_4: M1_DriverChannelDRV88253.4 U7_DriverChannelDRV88253.10 | length 563.4
  Top Layer w14: U7_DriverChannelDRV88253.10@2493.98,717.8 2493.98,640 2530,603.98
  Top Layer w40: 2530,603.98 2530,340 2580,290 M1_DriverChannelDRV88253.4@2580,190
NetM1_DriverChannelDRV88254_1: M1_DriverChannelDRV88254.1 U7_DriverChannelDRV88254.5 | length 563.4
  Top Layer w14: 3205,600 3241.02,636.02 U7_DriverChannelDRV88254.5@3241.02,717.8
  Top Layer w40: M1_DriverChannelDRV88254.1@3155,190 3155,290 3205,340 3205,600
NetM1_DriverChannelDRV88254_2: M1_DriverChannelDRV88254.2 U7_DriverChannelDRV88254.7 | length 543.2
  Top Layer w14: 3270,565 3292.2,587.2 U7_DriverChannelDRV88254.7@3292.2,717.8
  Top Layer w40: M1_DriverChannelDRV88254.2@3255,190 3255,295 3270,310 3270,565
NetM1_DriverChannelDRV88254_3: M1_DriverChannelDRV88254.3 U7_DriverChannelDRV88254.8 | length 543.2
  Top Layer w14: U7_DriverChannelDRV88254.8@3317.8,717.8 3317.8,587.2 3340,565
  Top Layer w40: 3340,565 3340,310 3355,295 M1_DriverChannelDRV88254.3@3355,190
NetM1_DriverChannelDRV88254_4: M1_DriverChannelDRV88254.4 U7_DriverChannelDRV88254.10 | length 563.4
  Top Layer w14: U7_DriverChannelDRV88254.10@3368.98,717.8 3368.98,640 3405,603.98
  Top Layer w40: 3405,603.98 3405,340 3455,290 M1_DriverChannelDRV88254.4@3455,190
NetM1_DriverChannelDRV88255_1: M1_DriverChannelDRV88255.1 U7_DriverChannelDRV88255.5 | length 563.4
  Top Layer w14: 4080,600 4116.02,636.02 U7_DriverChannelDRV88255.5@4116.02,717.8
  Top Layer w40: M1_DriverChannelDRV88255.1@4030,190 4030,290 4080,340 4080,600
NetM1_DriverChannelDRV88255_2: M1_DriverChannelDRV88255.2 U7_DriverChannelDRV88255.7 | length 543.2
  Top Layer w14: 4145,565 4167.2,587.2 U7_DriverChannelDRV88255.7@4167.2,717.8
  Top Layer w40: M1_DriverChannelDRV88255.2@4130,190 4130,295 4145,310 4145,565
NetM1_DriverChannelDRV88255_3: M1_DriverChannelDRV88255.3 U7_DriverChannelDRV88255.8 | length 543.2
  Top Layer w14: U7_DriverChannelDRV88255.8@4192.8,717.8 4192.8,587.2 4215,565
  Top Layer w40: 4215,565 4215,310 4230,295 M1_DriverChannelDRV88255.3@4230,190
NetM1_DriverChannelDRV88255_4: M1_DriverChannelDRV88255.4 U7_DriverChannelDRV88255.10 | length 563.4
  Top Layer w14: U7_DriverChannelDRV88255.10@4243.98,717.8 4243.98,640 4280,603.98
  Top Layer w40: 4280,603.98 4280,340 4330,290 M1_DriverChannelDRV88255.4@4330,190
NetP1_2: P1.2 U3.130 | length 843.3
  Top Layer w8: v1(1831.1,2323.9) U3.130@1905.35,2323.9
  Bottom Layer w8: v1(1831.1,2323.9) 1955,2200 1955,1990 1982.5,1962.5 1982.5,1802.5 2045,1740 2045,1700 P1.2@2085,1660
NetP2_ThermistorChannel1_1: P2_ThermistorChannel1.1 R14_ThermistorChannel1.2 R19_ThermistorChannel1.1 | length 216.7
  Top Layer w10: R19_ThermistorChannel1.1@4319.53,2700 R14_ThermistorChannel1.2@4319.53,2635 4375,2635 4390,2620 P2_ThermistorChannel1.1@4465,2620
NetP2_ThermistorChannel2_1: P2_ThermistorChannel2.1 R14_ThermistorChannel2.2 R19_ThermistorChannel2.1 | length 216.7
  Top Layer w10: R19_ThermistorChannel2.1@4319.53,3085 R14_ThermistorChannel2.2@4319.53,3020 4375,3020 4390,3005 P2_ThermistorChannel2.1@4465,3005
NetQ2_1: Q2.1 R45.2 | length 57.4
  Top Layer w20: R45.2@1427.6,3964.7 Q2.1@1427.6,4022.14
NetQ3_1: Q3.1 R52.2 | length 62.4
  Top Layer w20: R52.2@1092.6,3959.7 Q3.1@1092.6,4022.14
NetQ4_4: Q4.4 R58.2 | length 50.5
  Top Layer w10: Q4.4@2056.5,3717.66 2061.36,3722.53 R58.2@2105,3722.53
NetQ5_4: Q5.4 R62.2 | length 68.6
  Top Layer w10: Q5.4@2450,3717.28 2485.25,3752.53 R62.2@2504,3752.53
NetQ6_4: Q6.4 R66.2 | length 68.6
  Top Layer w10: Q6.4@2856,3716.85 2874.75,3716.85 R66.2@2910,3752.1
NetQ7_4: Q7.4 R70.2 | length 68.6
  Top Layer w10: Q7.4@3256,3716.85 3274.75,3716.85 R70.2@3310,3752.1
NetR4_1: R4.1 U3.51 | length 223.6
  Top Layer w10: R4.1@860,2345.47 964.53,2345.47 986.1,2323.9 U3.51@1074.65,2323.9
NetR5_2: R5.2 U3.42 | length 358.7
  Top Layer w8: R5.2@975,2669.06 1085.94,2669.06 1145,2610 1145,2526.77 1119.29,2501.06 U3.42@1074.65,2501.06
NetR6_2: R6.2 U3.53 | length 291.8
  Top Layer w10: R6.2@810,2220.47 810,2221.46 837.73,2249.19 964.19,2249.19 998.34,2283.34 1073.46,2283.34 U3.53@1074.65,2284.53
NetR7_1: R7.1 U1.3 | length 76.4
  Top Layer w8: U1.3@5084.57,1344.83 5084.57,1321.43 5116.86,1289.14 R7.1@5116.86,1281.84
NetR10_2: R10.2 R12.1 U1.6 | length 290.4
  Top Layer w7: U1.6@5123.94,1533.8 5123.94,1511.06 5130.82,1504.18 5134.51,1504.18 5149.44,1489.25 5149.44,1438.89 5227.33,1361 R10.2@5243.85,1361 ; R12.1@5251.4,1297.36 R10.2@5251.4,1353.45
NetR17_1: R17.1 U1.2 | length 56.9
  Top Layer w12: U1.2@5064.89,1344.83 5064.89,1300.73 R17.1@5073.95,1291.68
NetR22_2: R22.2 U3.43 | length 126.7
  Top Layer w10: R22.2@960,2510.47 989.09,2481.38 U3.43@1074.65,2481.38
NetR32_DriverChannelDRV88251_2: R32_DriverChannelDRV88251.2 U7_DriverChannelDRV88251.9 | length 483.3
  Top Layer w14: U7_DriverChannelDRV88251.9@718.39,717.8 718.39,616.61 v2(725,610)
  Top Layer w40: R32_DriverChannelDRV88251.2@960,707.05 v2(960,775)
  Bottom Layer w40: v2(725,610) 800,610 v2(960,775)
NetR32_DriverChannelDRV88252_2: R32_DriverChannelDRV88252.2 U7_DriverChannelDRV88252.9 | length 483.3
  Top Layer w14: U7_DriverChannelDRV88252.9@1593.39,717.8 1593.39,616.61 v2(1600,610)
  Top Layer w40: R32_DriverChannelDRV88252.2@1835,707.05 v2(1835,775)
  Bottom Layer w40: v2(1600,610) 1675,610 v2(1835,775)
NetR32_DriverChannelDRV88253_2: R32_DriverChannelDRV88253.2 U7_DriverChannelDRV88253.9 | length 483.3
  Top Layer w14: U7_DriverChannelDRV88253.9@2468.39,717.8 2468.39,616.61 v2(2475,610)
  Top Layer w40: R32_DriverChannelDRV88253.2@2710,707.05 v2(2710,775)
  Bottom Layer w40: v2(2475,610) 2550,610 v2(2710,775)
NetR32_DriverChannelDRV88254_2: R32_DriverChannelDRV88254.2 U7_DriverChannelDRV88254.9 | length 483.3
  Top Layer w14: U7_DriverChannelDRV88254.9@3343.39,717.8 3343.39,616.61 v2(3350,610)
  Top Layer w40: R32_DriverChannelDRV88254.2@3585,707.05 v2(3585,775)
  Bottom Layer w40: v2(3350,610) 3425,610 v2(3585,775)
NetR32_DriverChannelDRV88255_2: R32_DriverChannelDRV88255.2 U7_DriverChannelDRV88255.9 | length 483.3
  Top Layer w14: U7_DriverChannelDRV88255.9@4218.39,717.8 4218.39,616.61 v2(4225,610)
  Top Layer w40: R32_DriverChannelDRV88255.2@4460,707.05 v2(4460,775)
  Bottom Layer w40: v2(4225,610) 4300,610 v2(4460,775)
NetR33_DriverChannelDRV88251_2: R33_DriverChannelDRV88251.2 U7_DriverChannelDRV88251.6 | length 481.8
  Top Layer w14: v2(635,610) 641.61,616.61 U7_DriverChannelDRV88251.6@641.61,717.8
  Top Layer w40: R33_DriverChannelDRV88251.2@400,707.05 v2(400,775)
  Bottom Layer w40: v2(400,775) 565,610 v2(635,610)
NetR33_DriverChannelDRV88252_2: R33_DriverChannelDRV88252.2 U7_DriverChannelDRV88252.6 | length 481.8
  Top Layer w14: v2(1510,610) 1516.61,616.61 U7_DriverChannelDRV88252.6@1516.61,717.8
  Top Layer w40: R33_DriverChannelDRV88252.2@1275,707.05 v2(1275,775)
  Bottom Layer w40: v2(1275,775) 1440,610 v2(1510,610)
NetR33_DriverChannelDRV88253_2: R33_DriverChannelDRV88253.2 U7_DriverChannelDRV88253.6 | length 481.8
  Top Layer w14: v2(2385,610) 2391.61,616.61 U7_DriverChannelDRV88253.6@2391.61,717.8
  Top Layer w40: R33_DriverChannelDRV88253.2@2150,707.05 v2(2150,775)
  Bottom Layer w40: v2(2150,775) 2315,610 v2(2385,610)
NetR33_DriverChannelDRV88254_2: R33_DriverChannelDRV88254.2 U7_DriverChannelDRV88254.6 | length 481.8
  Top Layer w14: v2(3260,610) 3266.61,616.61 U7_DriverChannelDRV88254.6@3266.61,717.8
  Top Layer w40: R33_DriverChannelDRV88254.2@3025,707.05 v2(3025,775)
  Bottom Layer w40: v2(3025,775) 3190,610 v2(3260,610)
NetR33_DriverChannelDRV88255_2: R33_DriverChannelDRV88255.2 U7_DriverChannelDRV88255.6 | length 481.8
  Top Layer w14: v2(4135,610) 4141.61,616.61 U7_DriverChannelDRV88255.6@4141.61,717.8
  Top Layer w40: R33_DriverChannelDRV88255.2@3900,707.05 v2(3900,775)
  Bottom Layer w40: v2(3900,775) 4065,610 v2(4135,610)
NetR45_1: R45.1 R46.1 TP41.1 U8.16 | length 2298.5
  Top Layer w12: v2(1415,3810) v2@1415.47,3809.53 ; v2@1415.47,3810 R46.1@1415.47,3852.58 1415.47,3893.52 R45.1@1420,3898.05 ; v2(1465,3693) 1465,3314.3 1660.3,3119 2942.21,3119 2994.43,3066.77 U8.16@2994.43,3007.22
  Bottom Layer w12: v2(1415,3810) 1415,3743 v2(1465,3693)
NetR52_1: R52.1 R55.1 TP42.1 U8.14 | length 2646.5
  Top Layer w12: R52.1@1085,3893.05 1085,3852.1 R55.1@1080.47,3847.58 1080.47,3800.47 1120.95,3760 TP42.1@1231.31,3760 1452,3760 1518,3694 1518,3291 1669,3140 2950.9,3140 3045.61,3045.29 U8.14@3045.61,3007.22
NetR58_1: R58.1 R59.1 TP48.1 U8.13 | length 1519.6
  Top Layer w12: R58.1@2105,3663.47 2105,3608 TP48.1@2105,3370 2105,3225 2169,3161 2959.6,3161 3071.2,3049.4 U8.13@3071.2,3007.22
NetR62_1: R62.1 R63.1 TP49.1 U8.12 | length 1175.7
  Top Layer w12: R62.1@2504,3693.47 2504,3230 2552,3182 2968.3,3182 3096.8,3053.51 U8.12@3096.8,3007.22
NetR66_1: R66.1 R67.1 TP50.1 U8.11 | length 792.5
  Top Layer w12: R66.1@2910,3693.05 2910,3238 2945,3203 2977,3203 3122.39,3057.61 U8.11@3122.39,3007.22
NetR70_1: R70.1 R71.1 TP51.1 U8.10 | length 752.9
  Top Layer w12: U8.10@3147.98,3007.22 3147.98,3052.98 3310,3215 R70.1@3310,3693.05
NetT2_ThermocoupleChannel1_1: T2_ThermocoupleChannel1.1 U4_ThermocoupleChannel1.3 | length 343.7
  Top Layer w15: U4_ThermocoupleChannel1.3@3660,2580.51 3660,2635.55 3698.94,2674.49 3785,2674.49 3839.49,2620 T2_ThermocoupleChannel1.1@3910,2620
NetT2_ThermocoupleChannel1_2: T2_ThermocoupleChannel1.2 U4_ThermocoupleChannel1.2 | length 378.1
  Top Layer w15: U4_ThermocoupleChannel1.2@3610,2580.51 3610,2615.25 3690.24,2695.49 3781,2695.49 3805.51,2720 T2_ThermocoupleChannel1.2@3910,2720
NetT2_ThermocoupleChannel2_1: T2_ThermocoupleChannel2.1 U4_ThermocoupleChannel2.3 | length 316.1
  Top Layer w15: U4_ThermocoupleChannel2.3@3660,2965.51 3660,3015 3675,3030 3814.49,3030 3839.49,3005 T2_ThermocoupleChannel2.1@3910,3005
NetT2_ThermocoupleChannel2_2: T2_ThermocoupleChannel2.2 U4_ThermocoupleChannel2.2 | length 386.5
  Top Layer w15: U4_ThermocoupleChannel2.2@3610,2965.51 3610,3014.49 3650.51,3055 3785,3055 3835,3105 T2_ThermocoupleChannel2.2@3910,3105
NRST: U3.69
OVREF: D1.2 D3_ThermistorChannel1.2 D3_ThermistorChannel2.2 R1.1 TP2.1 | length 769.5
  Top Layer w12: D1.2@4099.37,3250 4140,3250 4105,3215 4105,3068.43 ; v1(4105,2900) 4105,2665 4135,2635 D3_ThermistorChannel1.2@4153.43,2635 ; v1(4105,2965) 4105,3068.43 ; D3_ThermistorChannel2.2@4153.43,3020 4105,3068.43
  Bottom Layer w12: v1(4105,2900) v1(4105,2965)
R_N: DA4.1 R18.2 USB.2 | length 341.6
  Top Layer w8: R18.2@615,3775.41 615,3809.09 627.4,3821.49 DA4.1@627.4,3912.4 599,3940.8 599,3993.79 USB.2@674.21,4069
R_P: DA4.2 R20.2 USB.3 | length 428.1
  Top Layer w8: R20.2@565,3775.41 565,3810 552.6,3822.4 DA4.2@552.6,3912.4 581,3940.8 581,4011.36 618,4048.36 618,4091.79 USB.3@674.21,4148